# Allegro board LED_FIN.brd (continued)
## Routing (per net, layer and track width the routed paths; a pad name or vN(x,y) marks a point on that pad's centre or on a via; arc(x,y) is an arc through that point) (continued)
COL_OUT_B2: length 244.7
  TOP w0.15: D8398.1 v1(273.25,290.8) ; D8308.1 v1(273.25,296.8) ; D8128.1 v1(273.25,308.8) ; D8368.1 v1(273.25,292.8) ; D8758.1 v1(273.25,266.8) ; D8818.1 v1(273.25,262.8) ; D8278.1 v1(273.25,298.8) ; D8968.1 v1(273.25,252.8) ; D8908.1 v1(273.25,256.8) ; D8698.1 v1(273.25,270.8) ; D8488.1 v1(273.25,284.8) ; D8098.1 v1(273.25,310.8) ; D8578.1 v1(273.25,278.8) ; D8998.1 v1(273.25,250.8) ; D8848.1 v1(273.25,260.8) ; D8188.1 v1(273.25,304.8) ; D8008.1 v1(273.25,316.8) ; D8878.1 v1(273.25,258.8) ; D8338.1 v1(273.25,294.8) ; D8548.1 v1(273.25,280.8) ; D9118.1 v1(273.25,242.8) ; D8668.1 v1(273.25,272.8) ; D8248.1 v1(273.25,300.8) ; D9028.1 v1(273.25,248.8) ; D8038.1 v1(273.25,314.8) ; D8938.1 v1(273.25,254.8) ; D9088.1 v1(273.25,244.8) ; D8158.1 v1(273.25,306.8) ; D8218.1 v1(273.25,302.8) ; D8788.1 v1(273.25,264.8) ; D8428.1 v1(273.25,288.8) ; D8728.1 v1(273.25,268.8) ; D8458.1 v1(273.25,286.8) ; D8638.1 v1(273.25,274.8) ; v1(272.55,99.8) R238.1 ; D8518.1 v1(273.25,282.8) ; D8068.1 v1(273.25,312.8) ; D9058.1 v1(273.25,246.8) ; D8608.1 v1(273.25,276.8)
  BOTTOM w0.15: v1(272.55,99.8) 272.55,242.1 v1(273.25,242.8) v1(273.25,244.8) v1(273.25,246.8) v1(273.25,248.8) v1(273.25,250.8) v1(273.25,252.8) v1(273.25,254.8) v1(273.25,256.8) v1(273.25,258.8) v1(273.25,260.8) v1(273.25,262.8) v1(273.25,264.8) v1(273.25,266.8) v1(273.25,268.8) v1(273.25,270.8) v1(273.25,272.8) v1(273.25,274.8) v1(273.25,276.8) v1(273.25,278.8) v1(273.25,280.8) v1(273.25,282.8) v1(273.25,284.8) v1(273.25,286.8) v1(273.25,288.8) v1(273.25,290.8) v1(273.25,292.8) v1(273.25,294.8) v1(273.25,296.8) v1(273.25,298.8) v1(273.25,300.8) v1(273.25,302.8) v1(273.25,304.8) v1(273.25,306.8) v1(273.25,308.8) v1(273.25,310.8) v1(273.25,312.8) v1(273.25,314.8) v1(273.25,316.8)
COL_OUT_B3: length 244.7
  TOP w0.15: D8577.1 v1(271.25,278.8) ; D8817.1 v1(271.25,262.8) ; D8187.1 v1(271.25,304.8) ; D8637.1 v1(271.25,274.8) ; D9027.1 v1(271.25,248.8) ; D8697.1 v1(271.25,270.8) ; D8157.1 v1(271.25,306.8) ; v1(270.55,99.8) R237.1 ; D8217.1 v1(271.25,302.8) ; D9117.1 v1(271.25,242.8) ; D8727.1 v1(271.25,268.8) ; D8457.1 v1(271.25,286.8) ; D8427.1 v1(271.25,288.8) ; D8787.1 v1(271.25,264.8) ; D8397.1 v1(271.25,290.8) ; D8517.1 v1(271.25,282.8) ; D8967.1 v1(271.25,252.8) ; D8037.1 v1(271.25,314.8) ; D9057.1 v1(271.25,246.8) ; D8367.1 v1(271.25,292.8) ; D8277.1 v1(271.25,298.8) ; D8127.1 v1(271.25,308.8) ; D8757.1 v1(271.25,266.8) ; D8247.1 v1(271.25,300.8) ; D8097.1 v1(271.25,310.8) ; D8877.1 v1(271.25,258.8) ; D8937.1 v1(271.25,254.8) ; D8847.1 v1(271.25,260.8) ; D8007.1 v1(271.25,316.8) ; D9087.1 v1(271.25,244.8) ; D8487.1 v1(271.25,284.8) ; D8547.1 v1(271.25,280.8) ; D8067.1 v1(271.25,312.8) ; D8997.1 v1(271.25,250.8) ; D8307.1 v1(271.25,296.8) ; D8667.1 v1(271.25,272.8) ; D8907.1 v1(271.25,256.8) ; D8607.1 v1(271.25,276.8) ; D8337.1 v1(271.25,294.8)
  BOTTOM w0.15: v1(271.25,316.8) v1(271.25,314.8) v1(271.25,312.8) v1(271.25,310.8) v1(271.25,308.8) v1(271.25,306.8) v1(271.25,304.8) v1(271.25,302.8) v1(271.25,300.8) v1(271.25,298.8) v1(271.25,296.8) v1(271.25,294.8) v1(271.25,292.8) v1(271.25,290.8) v1(271.25,288.8) v1(271.25,286.8) v1(271.25,284.8) v1(271.25,282.8) v1(271.25,280.8) v1(271.25,278.8) v1(271.25,276.8) v1(271.25,274.8) v1(271.25,272.8) v1(271.25,270.8) v1(271.25,268.8) v1(271.25,266.8) v1(271.25,264.8) v1(271.25,262.8) v1(271.25,260.8) v1(271.25,258.8) v1(271.25,256.8) v1(271.25,254.8) v1(271.25,252.8) v1(271.25,250.8) v1(271.25,248.8) v1(271.25,246.8) v1(271.25,244.8) v1(271.25,242.8) 270.55,242.1 v1(270.55,99.8)
COL_OUT_B4: length 244.7
  TOP w0.15: D8366.1 v1(269.25,292.8) ; D8306.1 v1(269.25,296.8) ; D8456.1 v1(269.25,286.8) ; D8876.1 v1(269.25,258.8) ; D8756.1 v1(269.25,266.8) ; D8396.1 v1(269.25,290.8) ; D8246.1 v1(269.25,300.8) ; D8576.1 v1(269.25,278.8) ; D8156.1 v1(269.25,306.8) ; D8996.1 v1(269.25,250.8) ; D8906.1 v1(269.25,256.8) ; D8126.1 v1(269.25,308.8) ; D8816.1 v1(269.25,262.8) ; D8606.1 v1(269.25,276.8) ; D8696.1 v1(269.25,270.8) ; D9056.1 v1(269.25,246.8) ; D8546.1 v1(269.25,280.8) ; D9026.1 v1(269.25,248.8) ; D8786.1 v1(269.25,264.8) ; D8276.1 v1(269.25,298.8) ; D8066.1 v1(269.25,312.8) ; D8036.1 v1(269.25,314.8) ; D8216.1 v1(269.25,302.8) ; D8096.1 v1(269.25,310.8) ; D8726.1 v1(269.25,268.8) ; D8666.1 v1(269.25,272.8) ; D8516.1 v1(269.25,282.8) ; D8936.1 v1(269.25,254.8) ; D8636.1 v1(269.25,274.8) ; D8336.1 v1(269.25,294.8) ; v1(268.55,99.8) R236.1 ; D8846.1 v1(269.25,260.8) ; D9086.1 v1(269.25,244.8) ; D8486.1 v1(269.25,284.8) ; D8966.1 v1(269.25,252.8) ; D8426.1 v1(269.25,288.8) ; D9116.1 v1(269.25,242.8) ; D8006.1 v1(269.25,316.8) ; D8186.1 v1(269.25,304.8)
  BOTTOM w0.15: v1(268.55,99.8) 268.55,242.1 v1(269.25,242.8) v1(269.25,244.8) v1(269.25,246.8) v1(269.25,248.8) v1(269.25,250.8) v1(269.25,252.8) v1(269.25,254.8) v1(269.25,256.8) v1(269.25,258.8) v1(269.25,260.8) v1(269.25,262.8) v1(269.25,264.8) v1(269.25,266.8) v1(269.25,268.8) v1(269.25,270.8) v1(269.25,272.8) v1(269.25,274.8) v1(269.25,276.8) v1(269.25,278.8) v1(269.25,280.8) v1(269.25,282.8) v1(269.25,284.8) v1(269.25,286.8) v1(269.25,288.8) v1(269.25,290.8) v1(269.25,292.8) v1(269.25,294.8) v1(269.25,296.8) v1(269.25,298.8) v1(269.25,300.8) v1(269.25,302.8) v1(269.25,304.8) v1(269.25,306.8) v1(269.25,308.8) v1(269.25,310.8) v1(269.25,312.8) v1(269.25,314.8) v1(269.25,316.8)
COL_OUT_B5: length 244.7
  TOP w0.15: D8395.1 v1(267.25,290.8) ; D9055.1 v1(267.25,246.8) ; D8065.1 v1(267.25,312.8) ; D8905.1 v1(267.25,256.8) ; D8935.1 v1(267.25,254.8) ; D8785.1 v1(267.25,264.8) ; D8275.1 v1(267.25,298.8) ; D8125.1 v1(267.25,308.8) ; D8755.1 v1(267.25,266.8) ; D8815.1 v1(267.25,262.8) ; D8725.1 v1(267.25,268.8) ; D8425.1 v1(267.25,288.8) ; D9025.1 v1(267.25,248.8) ; D8575.1 v1(267.25,278.8) ; D8095.1 v1(267.25,310.8) ; v1(266.55,99.8) R235.1 ; D8485.1 v1(267.25,284.8) ; D8875.1 v1(267.25,258.8) ; D8635.1 v1(267.25,274.8) ; D9115.1 v1(267.25,242.8) ; D8515.1 v1(267.25,282.8) ; D8455.1 v1(267.25,286.8) ; D8665.1 v1(267.25,272.8) ; D8335.1 v1(267.25,294.8) ; D8005.1 v1(267.25,316.8) ; D8695.1 v1(267.25,270.8) ; D8185.1 v1(267.25,304.8) ; D8545.1 v1(267.25,280.8) ; D8365.1 v1(267.25,292.8) ; D8995.1 v1(267.25,250.8) ; D8965.1 v1(267.25,252.8) ; D8035.1 v1(267.25,314.8) ; D8245.1 v1(267.25,300.8) ; D8215.1 v1(267.25,302.8) ; D8605.1 v1(267.25,276.8) ; D8305.1 v1(267.25,296.8) ; D9085.1 v1(267.25,244.8) ; D8845.1 v1(267.25,260.8) ; D8155.1 v1(267.25,306.8)
  BOTTOM w0.15: v1(267.25,316.8) v1(267.25,314.8) v1(267.25,312.8) v1(267.25,310.8) v1(267.25,308.8) v1(267.25,306.8) v1(267.25,304.8) v1(267.25,302.8) v1(267.25,300.8) v1(267.25,298.8) v1(267.25,296.8) v1(267.25,294.8) v1(267.25,292.8) v1(267.25,290.8) v1(267.25,288.8) v1(267.25,286.8) v1(267.25,284.8) v1(267.25,282.8) v1(267.25,280.8) v1(267.25,278.8) v1(267.25,276.8) v1(267.25,274.8) v1(267.25,272.8) v1(267.25,270.8) v1(267.25,268.8) v1(267.25,266.8) v1(267.25,264.8) v1(267.25,262.8) v1(267.25,260.8) v1(267.25,258.8) v1(267.25,256.8) v1(267.25,254.8) v1(267.25,252.8) v1(267.25,250.8) v1(267.25,248.8) v1(267.25,246.8) v1(267.25,244.8) v1(267.25,242.8) 266.55,242.1 v1(266.55,99.8)
COL_OUT_B6: length 244.7
  TOP w0.15: D8364.1 v1(265.25,292.8) ; D8574.1 v1(265.25,278.8) ; D8304.1 v1(265.25,296.8) ; D8694.1 v1(265.25,270.8) ; D8964.1 v1(265.25,252.8) ; D8754.1 v1(265.25,266.8) ; D8544.1 v1(265.25,280.8) ; D8994.1 v1(265.25,250.8) ; v1(264.55,99.8) R234.1 ; D8724.1 v1(265.25,268.8) ; D8634.1 v1(265.25,274.8) ; D8514.1 v1(265.25,282.8) ; D8664.1 v1(265.25,272.8) ; D8484.1 v1(265.25,284.8) ; D8274.1 v1(265.25,298.8) ; D8424.1 v1(265.25,288.8) ; D9114.1 v1(265.25,242.8) ; D8064.1 v1(265.25,312.8) ; D8904.1 v1(265.25,256.8) ; D8004.1 v1(265.25,316.8) ; D8034.1 v1(265.25,314.8) ; D8934.1 v1(265.25,254.8) ; D8394.1 v1(265.25,290.8) ; D9024.1 v1(265.25,248.8) ; D8124.1 v1(265.25,308.8) ; D8334.1 v1(265.25,294.8) ; D8214.1 v1(265.25,302.8) ; D9084.1 v1(265.25,244.8) ; D8844.1 v1(265.25,260.8) ; D8604.1 v1(265.25,276.8) ; D8454.1 v1(265.25,286.8) ; D8784.1 v1(265.25,264.8) ; D8814.1 v1(265.25,262.8) ; D9054.1 v1(265.25,246.8) ; D8244.1 v1(265.25,300.8) ; D8184.1 v1(265.25,304.8) ; D8154.1 v1(265.25,306.8) ; D8094.1 v1(265.25,310.8) ; D8874.1 v1(265.25,258.8)
  BOTTOM w0.15: v1(265.25,316.8) v1(265.25,314.8) v1(265.25,312.8) v1(265.25,310.8) v1(265.25,308.8) v1(265.25,306.8) v1(265.25,304.8) v1(265.25,302.8) v1(265.25,300.8) v1(265.25,298.8) v1(265.25,296.8) v1(265.25,294.8) v1(265.25,292.8) v1(265.25,290.8) v1(265.25,288.8) v1(265.25,286.8) v1(265.25,284.8) v1(265.25,282.8) v1(265.25,280.8) v1(265.25,278.8) v1(265.25,276.8) v1(265.25,274.8) v1(265.25,272.8) v1(265.25,270.8) v1(265.25,268.8) v1(265.25,266.8) v1(265.25,264.8) v1(265.25,262.8) v1(265.25,260.8) v1(265.25,258.8) v1(265.25,256.8) v1(265.25,254.8) v1(265.25,252.8) v1(265.25,250.8) v1(265.25,248.8) v1(265.25,246.8) v1(265.25,244.8) v1(265.25,242.8) 264.55,242.1 v1(264.55,99.8)
COL_OUT_B7: length 244.7
  TOP w0.15: D8843.1 v1(263.25,260.8) ; D8033.1 v1(263.25,314.8) ; D8873.1 v1(263.25,258.8) ; D8573.1 v1(263.25,278.8) ; D8063.1 v1(263.25,312.8) ; D8303.1 v1(263.25,296.8) ; D8123.1 v1(263.25,308.8) ; D9083.1 v1(263.25,244.8) ; D8363.1 v1(263.25,292.8) ; D8783.1 v1(263.25,264.8) ; D9053.1 v1(263.25,246.8) ; D8093.1 v1(263.25,310.8) ; D8663.1 v1(263.25,272.8) ; D8213.1 v1(263.25,302.8) ; D8813.1 v1(263.25,262.8) ; D8963.1 v1(263.25,252.8) ; D8753.1 v1(263.25,266.8) ; D8513.1 v1(263.25,282.8) ; D8003.1 v1(263.25,316.8) ; D9113.1 v1(263.25,242.8) ; D8693.1 v1(263.25,270.8) ; D8903.1 v1(263.25,256.8) ; D8543.1 v1(263.25,280.8) ; D8393.1 v1(263.25,290.8) ; D8483.1 v1(263.25,284.8) ; D8933.1 v1(263.25,254.8) ; D8183.1 v1(263.25,304.8) ; D8423.1 v1(263.25,288.8) ; D8243.1 v1(263.25,300.8) ; D8723.1 v1(263.25,268.8) ; D8603.1 v1(263.25,276.8) ; D8153.1 v1(263.25,306.8) ; D8453.1 v1(263.25,286.8) ; D8333.1 v1(263.25,294.8) ; v1(262.55,99.8) R233.1 ; D9023.1 v1(263.25,248.8) ; D8993.1 v1(263.25,250.8) ; D8633.1 v1(263.25,274.8) ; D8273.1 v1(263.25,298.8)
  BOTTOM w0.15: v1(263.25,316.8) v1(263.25,314.8) v1(263.25,312.8) v1(263.25,310.8) v1(263.25,308.8) v1(263.25,306.8) v1(263.25,304.8) v1(263.25,302.8) v1(263.25,300.8) v1(263.25,298.8) v1(263.25,296.8) v1(263.25,294.8) v1(263.25,292.8) v1(263.25,290.8) v1(263.25,288.8) v1(263.25,286.8) v1(263.25,284.8) v1(263.25,282.8) v1(263.25,280.8) v1(263.25,278.8) v1(263.25,276.8) v1(263.25,274.8) v1(263.25,272.8) v1(263.25,270.8) v1(263.25,268.8) v1(263.25,266.8) v1(263.25,264.8) v1(263.25,262.8) v1(263.25,260.8) v1(263.25,258.8) v1(263.25,256.8) v1(263.25,254.8) v1(263.25,252.8) v1(263.25,250.8) v1(263.25,248.8) v1(263.25,246.8) v1(263.25,244.8) v1(263.25,242.8) 262.55,242.1 v1(262.55,99.8)
COL_OUT_B8: length 244.7
  TOP w0.15: D8992.1 v1(261.25,250.8) ; D8962.1 v1(261.25,252.8) ; D8782.1 v1(261.25,264.8) ; D8452.1 v1(261.25,286.8) ; D8482.1 v1(261.25,284.8) ; D8362.1 v1(261.25,292.8) ; D9082.1 v1(261.25,244.8) ; D8272.1 v1(261.25,298.8) ; D8392.1 v1(261.25,290.8) ; D8002.1 v1(261.25,316.8) ; D8062.1 v1(261.25,312.8) ; D8332.1 v1(261.25,294.8) ; D8932.1 v1(261.25,254.8) ; D8152.1 v1(261.25,306.8) ; D8902.1 v1(261.25,256.8) ; D8512.1 v1(261.25,282.8) ; D8722.1 v1(261.25,268.8) ; D8662.1 v1(261.25,272.8) ; D8872.1 v1(261.25,258.8) ; D9052.1 v1(261.25,246.8) ; D8212.1 v1(261.25,302.8) ; D8602.1 v1(261.25,276.8) ; D8812.1 v1(261.25,262.8) ; D8572.1 v1(261.25,278.8) ; D8032.1 v1(261.25,314.8) ; D8692.1 v1(261.25,270.8) ; D8122.1 v1(261.25,308.8) ; D8422.1 v1(261.25,288.8) ; v1(260.55,99.8) R232.1 ; D8632.1 v1(261.25,274.8) ; D8242.1 v1(261.25,300.8) ; D8302.1 v1(261.25,296.8) ; D8752.1 v1(261.25,266.8) ; D9022.1 v1(261.25,248.8) ; D8842.1 v1(261.25,260.8) ; D8092.1 v1(261.25,310.8) ; D8542.1 v1(261.25,280.8) ; D9112.1 v1(261.25,242.8) ; D8182.1 v1(261.25,304.8)
  BOTTOM w0.15: v1(261.25,316.8) v1(261.25,314.8) v1(261.25,312.8) v1(261.25,310.8) v1(261.25,308.8) v1(261.25,306.8) v1(261.25,304.8) v1(261.25,302.8) v1(261.25,300.8) v1(261.25,298.8) v1(261.25,296.8) v1(261.25,294.8) v1(261.25,292.8) v1(261.25,290.8) v1(261.25,288.8) v1(261.25,286.8) v1(261.25,284.8) v1(261.25,282.8) v1(261.25,280.8) v1(261.25,278.8) v1(261.25,276.8) v1(261.25,274.8) v1(261.25,272.8) v1(261.25,270.8) v1(261.25,268.8) v1(261.25,266.8) v1(261.25,264.8) v1(261.25,262.8) v1(261.25,260.8) v1(261.25,258.8) v1(261.25,256.8) v1(261.25,254.8) v1(261.25,252.8) v1(261.25,250.8) v1(261.25,248.8) v1(261.25,246.8) v1(261.25,244.8) v1(261.25,242.8) 260.55,242.1 v1(260.55,99.8)
COL_OUT_B9: length 244.7
  TOP w0.15: D8691.1 v1(259.25,270.8) ; D8271.1 v1(259.25,298.8) ; D8241.1 v1(259.25,300.8) ; D8031.1 v1(259.25,314.8) ; D8151.1 v1(259.25,306.8) ; D8331.1 v1(259.25,294.8) ; D8571.1 v1(259.25,278.8) ; D9111.1 v1(259.25,242.8) ; D8061.1 v1(259.25,312.8) ; D8451.1 v1(259.25,286.8) ; D8661.1 v1(259.25,272.8) ; D8931.1 v1(259.25,254.8) ; v1(258.55,99.8) R231.1 ; D8901.1 v1(259.25,256.8) ; D8961.1 v1(259.25,252.8) ; D8781.1 v1(259.25,264.8) ; D8601.1 v1(259.25,276.8) ; D8211.1 v1(259.25,302.8) ; D9081.1 v1(259.25,244.8) ; D8991.1 v1(259.25,250.8) ; D8631.1 v1(259.25,274.8) ; D8001.1 v1(259.25,316.8) ; D8541.1 v1(259.25,280.8) ; D8361.1 v1(259.25,292.8) ; D9021.1 v1(259.25,248.8) ; D8721.1 v1(259.25,268.8) ; D8511.1 v1(259.25,282.8) ; D8871.1 v1(259.25,258.8) ; D8481.1 v1(259.25,284.8) ; D8301.1 v1(259.25,296.8) ; D8121.1 v1(259.25,308.8) ; D8091.1 v1(259.25,310.8) ; D8751.1 v1(259.25,266.8) ; D8421.1 v1(259.25,288.8) ; D8181.1 v1(259.25,304.8) ; D8811.1 v1(259.25,262.8) ; D8391.1 v1(259.25,290.8) ; D8841.1 v1(259.25,260.8) ; D9051.1 v1(259.25,246.8)
  BOTTOM w0.15: v1(259.25,316.8) v1(259.25,314.8) v1(259.25,312.8) v1(259.25,310.8) v1(259.25,308.8) v1(259.25,306.8) v1(259.25,304.8) v1(259.25,302.8) v1(259.25,300.8) v1(259.25,298.8) v1(259.25,296.8) v1(259.25,294.8) v1(259.25,292.8) v1(259.25,290.8) v1(259.25,288.8) v1(259.25,286.8) v1(259.25,284.8) v1(259.25,282.8) v1(259.25,280.8) v1(259.25,278.8) v1(259.25,276.8) v1(259.25,274.8) v1(259.25,272.8) v1(259.25,270.8) v1(259.25,268.8) v1(259.25,266.8) v1(259.25,264.8) v1(259.25,262.8) v1(259.25,260.8) v1(259.25,258.8) v1(259.25,256.8) v1(259.25,254.8) v1(259.25,252.8) v1(259.25,250.8) v1(259.25,248.8) v1(259.25,246.8) v1(259.25,244.8) v1(259.25,242.8) 258.55,242.1 v1(258.55,99.8)
COL_OUT_B10: length 244.7
  TOP w0.15: D8390.1 v1(257.25,290.8) ; D8330.1 v1(257.25,294.8) ; D8240.1 v1(257.25,300.8) ; D8510.1 v1(257.25,282.8) ; D8750.1 v1(257.25,266.8) ; D8840.1 v1(257.25,260.8) ; D8090.1 v1(257.25,310.8) ; D8660.1 v1(257.25,272.8) ; D8360.1 v1(257.25,292.8) ; D8270.1 v1(257.25,298.8) ; D8870.1 v1(257.25,258.8) ; D9110.1 v1(257.25,242.8) ; D9020.1 v1(257.25,248.8) ; D8000.1 v1(257.25,316.8) ; D8420.1 v1(257.25,288.8) ; D8120.1 v1(257.25,308.8) ; D9050.1 v1(257.25,246.8) ; D8930.1 v1(257.25,254.8) ; D8060.1 v1(257.25,312.8) ; D8150.1 v1(257.25,306.8) ; D8780.1 v1(257.25,264.8) ; D8690.1 v1(257.25,270.8) ; D8030.1 v1(257.25,314.8) ; D8210.1 v1(257.25,302.8) ; D9080.1 v1(257.25,244.8) ; D8180.1 v1(257.25,304.8) ; D8450.1 v1(257.25,286.8) ; D8540.1 v1(257.25,280.8) ; D8810.1 v1(257.25,262.8) ; D8960.1 v1(257.25,252.8) ; D8570.1 v1(257.25,278.8) ; D8990.1 v1(257.25,250.8) ; D8300.1 v1(257.25,296.8) ; D8600.1 v1(257.25,276.8) ; D8900.1 v1(257.25,256.8) ; D8630.1 v1(257.25,274.8) ; D8720.1 v1(257.25,268.8) ; D8480.1 v1(257.25,284.8) ; v1(256.55,99.8) R230.1
  BOTTOM w0.15: v1(256.55,99.8) 256.55,242.1 v1(257.25,242.8) v1(257.25,244.8) v1(257.25,246.8) v1(257.25,248.8) v1(257.25,250.8) v1(257.25,252.8) v1(257.25,254.8) v1(257.25,256.8) v1(257.25,258.8) v1(257.25,260.8) v1(257.25,262.8) v1(257.25,264.8) v1(257.25,266.8) v1(257.25,268.8) v1(257.25,270.8) v1(257.25,272.8) v1(257.25,274.8) v1(257.25,276.8) v1(257.25,278.8) v1(257.25,280.8) v1(257.25,282.8) v1(257.25,284.8) v1(257.25,286.8) v1(257.25,288.8) v1(257.25,290.8) v1(257.25,292.8) v1(257.25,294.8) v1(257.25,296.8) v1(257.25,298.8) v1(257.25,300.8) v1(257.25,302.8) v1(257.25,304.8) v1(257.25,306.8) v1(257.25,308.8) v1(257.25,310.8) v1(257.25,312.8) v1(257.25,314.8) v1(257.25,316.8)
COL_OUT_B11: length 244.7
  TOP w0.15: D8539.1 v1(255.25,280.8) ; D8239.1 v1(255.25,300.8) ; D8749.1 v1(255.25,266.8) ; D8149.1 v1(255.25,306.8) ; D8389.1 v1(255.25,290.8) ; D9079.1 v1(255.25,244.8) ; D8029.1 v1(255.25,314.8) ; D8659.1 v1(255.25,272.8) ; D8959.1 v1(255.25,252.8) ; D8569.1 v1(255.25,278.8) ; D8179.1 v1(255.25,304.8) ; D8449.1 v1(255.25,286.8) ; D8089.1 v1(255.25,310.8) ; D8119.1 v1(255.25,308.8) ; D8269.1 v1(255.25,298.8) ; D8689.1 v1(255.25,270.8) ; D8479.1 v1(255.25,284.8) ; D8779.1 v1(255.25,264.8) ; D8299.1 v1(255.25,296.8) ; D8329.1 v1(255.25,294.8) ; D8899.1 v1(255.25,256.8) ; v1(254.55,99.8) R229.1 ; D8509.1 v1(255.25,282.8) ; D8059.1 v1(255.25,312.8) ; D8629.1 v1(255.25,274.8) ; D8989.1 v1(255.25,250.8) ; D8839.1 v1(255.25,260.8) ; D9049.1 v1(255.25,246.8) ; D8599.1 v1(255.25,276.8) ; D8209.1 v1(255.25,302.8) ; D8869.1 v1(255.25,258.8) ; D8419.1 v1(255.25,288.8) ; D8929.1 v1(255.25,254.8) ; D8809.1 v1(255.25,262.8) ; D9109.1 v1(255.25,242.8) ; D9019.1 v1(255.25,248.8) ; D8359.1 v1(255.25,292.8) ; D7999.1 v1(255.25,316.8) ; D8719.1 v1(255.25,268.8)
  BOTTOM w0.15: v1(255.25,316.8) v1(255.25,314.8) v1(255.25,312.8) v1(255.25,310.8) v1(255.25,308.8) v1(255.25,306.8) v1(255.25,304.8) v1(255.25,302.8) v1(255.25,300.8) v1(255.25,298.8) v1(255.25,296.8) v1(255.25,294.8) v1(255.25,292.8) v1(255.25,290.8) v1(255.25,288.8) v1(255.25,286.8) v1(255.25,284.8) v1(255.25,282.8) v1(255.25,280.8) v1(255.25,278.8) v1(255.25,276.8) v1(255.25,274.8) v1(255.25,272.8) v1(255.25,270.8) v1(255.25,268.8) v1(255.25,266.8) v1(255.25,264.8) v1(255.25,262.8) v1(255.25,260.8) v1(255.25,258.8) v1(255.25,256.8) v1(255.25,254.8) v1(255.25,252.8) v1(255.25,250.8) v1(255.25,248.8) v1(255.25,246.8) v1(255.25,244.8) v1(255.25,242.8) 254.55,242.1 v1(254.55,99.8)
COL_OUT_B12: length 244.7
  TOP w0.15: D8388.1 v1(253.25,290.8) ; D8088.1 v1(253.25,310.8) ; D8418.1 v1(253.25,288.8) ; D8028.1 v1(253.25,314.8) ; D9048.1 v1(253.25,246.8) ; D8808.1 v1(253.25,262.8) ; D8298.1 v1(253.25,296.8) ; D8478.1 v1(253.25,284.8) ; D8688.1 v1(253.25,270.8) ; D8058.1 v1(253.25,312.8) ; D8238.1 v1(253.25,300.8) ; D8118.1 v1(253.25,308.8) ; D8868.1 v1(253.25,258.8) ; D8148.1 v1(253.25,306.8) ; D8748.1 v1(253.25,266.8) ; D7998.1 v1(253.25,316.8) ; D8508.1 v1(253.25,282.8) ; D8358.1 v1(253.25,292.8) ; D9108.1 v1(253.25,242.8) ; D8988.1 v1(253.25,250.8) ; D9018.1 v1(253.25,248.8) ; D8178.1 v1(253.25,304.8) ; D8898.1 v1(253.25,256.8) ; D8718.1 v1(253.25,268.8) ; D8568.1 v1(253.25,278.8) ; D8598.1 v1(253.25,276.8) ; D8928.1 v1(253.25,254.8) ; D8958.1 v1(253.25,252.8) ; D8628.1 v1(253.25,274.8) ; D8538.1 v1(253.25,280.8) ; v1(252.55,99.8) R228.1 ; D8328.1 v1(253.25,294.8) ; D9078.1 v1(253.25,244.8) ; D8778.1 v1(253.25,264.8) ; D8448.1 v1(253.25,286.8) ; D8658.1 v1(253.25,272.8) ; D8268.1 v1(253.25,298.8) ; D8208.1 v1(253.25,302.8) ; D8838.1 v1(253.25,260.8)
  BOTTOM w0.15: v1(252.55,99.8) 252.55,242.1 v1(253.25,242.8) v1(253.25,244.8) v1(253.25,246.8) v1(253.25,248.8) v1(253.25,250.8) v1(253.25,252.8) v1(253.25,254.8) v1(253.25,256.8) v1(253.25,258.8) v1(253.25,260.8) v1(253.25,262.8) v1(253.25,264.8) v1(253.25,266.8) v1(253.25,268.8) v1(253.25,270.8) v1(253.25,272.8) v1(253.25,274.8) v1(253.25,276.8) v1(253.25,278.8) v1(253.25,280.8) v1(253.25,282.8) v1(253.25,284.8) v1(253.25,286.8) v1(253.25,288.8) v1(253.25,290.8) v1(253.25,292.8) v1(253.25,294.8) v1(253.25,296.8) v1(253.25,298.8) v1(253.25,300.8) v1(253.25,302.8) v1(253.25,304.8) v1(253.25,306.8) v1(253.25,308.8) v1(253.25,310.8) v1(253.25,312.8) v1(253.25,314.8) v1(253.25,316.8)
COL_OUT_B13: length 244.7
  TOP w0.15: D8837.1 v1(251.25,260.8) ; D8927.1 v1(251.25,254.8) ; D8537.1 v1(251.25,280.8) ; D8627.1 v1(251.25,274.8) ; D8357.1 v1(251.25,292.8) ; D9077.1 v1(251.25,244.8) ; v1(250.55,99.8) R227.1 ; D8207.1 v1(251.25,302.8) ; D8807.1 v1(251.25,262.8) ; D8687.1 v1(251.25,270.8) ; D8597.1 v1(251.25,276.8) ; D7997.1 v1(251.25,316.8) ; D8777.1 v1(251.25,264.8) ; D9047.1 v1(251.25,246.8) ; D9107.1 v1(251.25,242.8) ; D8867.1 v1(251.25,258.8) ; D8717.1 v1(251.25,268.8) ; D8747.1 v1(251.25,266.8) ; D8177.1 v1(251.25,304.8) ; D8417.1 v1(251.25,288.8) ; D8507.1 v1(251.25,282.8) ; D8327.1 v1(251.25,294.8) ; D8567.1 v1(251.25,278.8) ; D8237.1 v1(251.25,300.8) ; D8897.1 v1(251.25,256.8) ; D8057.1 v1(251.25,312.8) ; D8297.1 v1(251.25,296.8) ; D8987.1 v1(251.25,250.8) ; D8117.1 v1(251.25,308.8) ; D8657.1 v1(251.25,272.8) ; D8447.1 v1(251.25,286.8) ; D8267.1 v1(251.25,298.8) ; D8387.1 v1(251.25,290.8) ; D8087.1 v1(251.25,310.8) ; D8957.1 v1(251.25,252.8) ; D8477.1 v1(251.25,284.8) ; D8027.1 v1(251.25,314.8) ; D9017.1 v1(251.25,248.8) ; D8147.1 v1(251.25,306.8)
  BOTTOM w0.15: v1(251.25,316.8) v1(251.25,314.8) v1(251.25,312.8) v1(251.25,310.8) v1(251.25,308.8) v1(251.25,306.8) v1(251.25,304.8) v1(251.25,302.8) v1(251.25,300.8) v1(251.25,298.8) v1(251.25,296.8) v1(251.25,294.8) v1(251.25,292.8) v1(251.25,290.8) v1(251.25,288.8) v1(251.25,286.8) v1(251.25,284.8) v1(251.25,282.8) v1(251.25,280.8) v1(251.25,278.8) v1(251.25,276.8) v1(251.25,274.8) v1(251.25,272.8) v1(251.25,270.8) v1(251.25,268.8) v1(251.25,266.8) v1(251.25,264.8) v1(251.25,262.8) v1(251.25,260.8) v1(251.25,258.8) v1(251.25,256.8) v1(251.25,254.8) v1(251.25,252.8) v1(251.25,250.8) v1(251.25,248.8) v1(251.25,246.8) v1(251.25,244.8) v1(251.25,242.8) 250.55,242.1 v1(250.55,99.8)
COL_OUT_B14: length 244.7
  TOP w0.15: D8236.1 v1(249.25,300.8) ; D8866.1 v1(249.25,258.8) ; D9106.1 v1(249.25,242.8) ; D8026.1 v1(249.25,314.8) ; D8626.1 v1(249.25,274.8) ; D9046.1 v1(249.25,246.8) ; D8266.1 v1(249.25,298.8) ; D8326.1 v1(249.25,294.8) ; D8746.1 v1(249.25,266.8) ; D8116.1 v1(249.25,308.8) ; D8536.1 v1(249.25,280.8) ; D8356.1 v1(249.25,292.8) ; D7996.1 v1(249.25,316.8) ; D8206.1 v1(249.25,302.8) ; D8146.1 v1(249.25,306.8) ; D8926.1 v1(249.25,254.8) ; D8506.1 v1(249.25,282.8) ; D8806.1 v1(249.25,262.8) ; D8416.1 v1(249.25,288.8) ; D8686.1 v1(249.25,270.8) ; D8836.1 v1(249.25,260.8) ; D8086.1 v1(249.25,310.8) ; D8296.1 v1(249.25,296.8) ; D9016.1 v1(249.25,248.8) ; D8656.1 v1(249.25,272.8) ; D8446.1 v1(249.25,286.8) ; D8896.1 v1(249.25,256.8) ; v1(248.55,99.8) R226.1 ; D9076.1 v1(249.25,244.8) ; D8596.1 v1(249.25,276.8) ; D8716.1 v1(249.25,268.8) ; D8056.1 v1(249.25,312.8) ; D8386.1 v1(249.25,290.8) ; D8176.1 v1(249.25,304.8) ; D8476.1 v1(249.25,284.8) ; D8956.1 v1(249.25,252.8) ; D8986.1 v1(249.25,250.8) ; D8566.1 v1(249.25,278.8) ; D8776.1 v1(249.25,264.8)
  BOTTOM w0.15: v1(248.55,99.8) 248.55,242.1 v1(249.25,242.8) v1(249.25,244.8) v1(249.25,246.8) v1(249.25,248.8) v1(249.25,250.8) v1(249.25,252.8) v1(249.25,254.8) v1(249.25,256.8) v1(249.25,258.8) v1(249.25,260.8) v1(249.25,262.8) v1(249.25,264.8) v1(249.25,266.8) v1(249.25,268.8) v1(249.25,270.8) v1(249.25,272.8) v1(249.25,274.8) v1(249.25,276.8) v1(249.25,278.8) v1(249.25,280.8) v1(249.25,282.8) v1(249.25,284.8) v1(249.25,286.8) v1(249.25,288.8) v1(249.25,290.8) v1(249.25,292.8) v1(249.25,294.8) v1(249.25,296.8) v1(249.25,298.8) v1(249.25,300.8) v1(249.25,302.8) v1(249.25,304.8) v1(249.25,306.8) v1(249.25,308.8) v1(249.25,310.8) v1(249.25,312.8) v1(249.25,314.8) v1(249.25,316.8)
COL_OUT_B15: length 244.7
  TOP w0.15: D8385.1 v1(247.25,290.8) ; D9045.1 v1(247.25,246.8) ; D8715.1 v1(247.25,268.8) ; D9075.1 v1(247.25,244.8) ; D8085.1 v1(247.25,310.8) ; D8595.1 v1(247.25,276.8) ; D8625.1 v1(247.25,274.8) ; D8025.1 v1(247.25,314.8) ; D8685.1 v1(247.25,270.8) ; D8835.1 v1(247.25,260.8) ; D8865.1 v1(247.25,258.8) ; D8535.1 v1(247.25,280.8) ; D8745.1 v1(247.25,266.8) ; D8235.1 v1(247.25,300.8) ; v1(246.55,99.8) R225.1 ; D8145.1 v1(247.25,306.8) ; D8115.1 v1(247.25,308.8) ; D8325.1 v1(247.25,294.8) ; D8565.1 v1(247.25,278.8) ; D8895.1 v1(247.25,256.8) ; D8445.1 v1(247.25,286.8) ; D8475.1 v1(247.25,284.8) ; D8655.1 v1(247.25,272.8) ; D9105.1 v1(247.25,242.8) ; D8505.1 v1(247.25,282.8) ; D8805.1 v1(247.25,262.8) ; D9015.1 v1(247.25,248.8) ; D8265.1 v1(247.25,298.8) ; D8055.1 v1(247.25,312.8) ; D8175.1 v1(247.25,304.8) ; D8925.1 v1(247.25,254.8) ; D8985.1 v1(247.25,250.8) ; D8415.1 v1(247.25,288.8) ; D8775.1 v1(247.25,264.8) ; D8205.1 v1(247.25,302.8) ; D8955.1 v1(247.25,252.8) ; D8355.1 v1(247.25,292.8) ; D8295.1 v1(247.25,296.8) ; D7995.1 v1(247.25,316.8)
  BOTTOM w0.15: v1(246.55,99.8) 246.55,242.1 v1(247.25,242.8) v1(247.25,244.8) v1(247.25,246.8) v1(247.25,248.8) v1(247.25,250.8) v1(247.25,252.8) v1(247.25,254.8) v1(247.25,256.8) v1(247.25,258.8) v1(247.25,260.8) v1(247.25,262.8) v1(247.25,264.8) v1(247.25,266.8) v1(247.25,268.8) v1(247.25,270.8) v1(247.25,272.8) v1(247.25,274.8) v1(247.25,276.8) v1(247.25,278.8) v1(247.25,280.8) v1(247.25,282.8) v1(247.25,284.8) v1(247.25,286.8) v1(247.25,288.8) v1(247.25,290.8) v1(247.25,292.8) v1(247.25,294.8) v1(247.25,296.8) v1(247.25,298.8) v1(247.25,300.8) v1(247.25,302.8) v1(247.25,304.8) v1(247.25,306.8) v1(247.25,308.8) v1(247.25,310.8) v1(247.25,312.8) v1(247.25,314.8) v1(247.25,316.8)
COL_OUT_B16: length 244.7
  TOP w0.15: D8294.1 v1(245.25,296.8) ; D8204.1 v1(245.25,302.8) ; D8474.1 v1(245.25,284.8) ; D8894.1 v1(245.25,256.8) ; D8684.1 v1(245.25,270.8) ; D8714.1 v1(245.25,268.8) ; D8504.1 v1(245.25,282.8) ; D9044.1 v1(245.25,246.8) ; D8954.1 v1(245.25,252.8) ; D8774.1 v1(245.25,264.8) ; D8054.1 v1(245.25,312.8) ; D8324.1 v1(245.25,294.8) ; D8744.1 v1(245.25,266.8) ; D8564.1 v1(245.25,278.8) ; D8924.1 v1(245.25,254.8) ; D9104.1 v1(245.25,242.8) ; D8264.1 v1(245.25,298.8) ; D9014.1 v1(245.25,248.8) ; D8654.1 v1(245.25,272.8) ; D8174.1 v1(245.25,304.8) ; D8624.1 v1(245.25,274.8) ; D8864.1 v1(245.25,258.8) ; D8534.1 v1(245.25,280.8) ; D8444.1 v1(245.25,286.8) ; D8414.1 v1(245.25,288.8) ; D8804.1 v1(245.25,262.8) ; D8834.1 v1(245.25,260.8) ; D8354.1 v1(245.25,292.8) ; D8984.1 v1(245.25,250.8) ; D9074.1 v1(245.25,244.8) ; D8144.1 v1(245.25,306.8) ; D8594.1 v1(245.25,276.8) ; D8234.1 v1(245.25,300.8) ; D7994.1 v1(245.25,316.8) ; v1(244.55,99.8) R224.1 ; D8084.1 v1(245.25,310.8) ; D8384.1 v1(245.25,290.8) ; D8114.1 v1(245.25,308.8) ; D8024.1 v1(245.25,314.8)